# Altium PCB Surf5_R100.PcbDoc (continued)
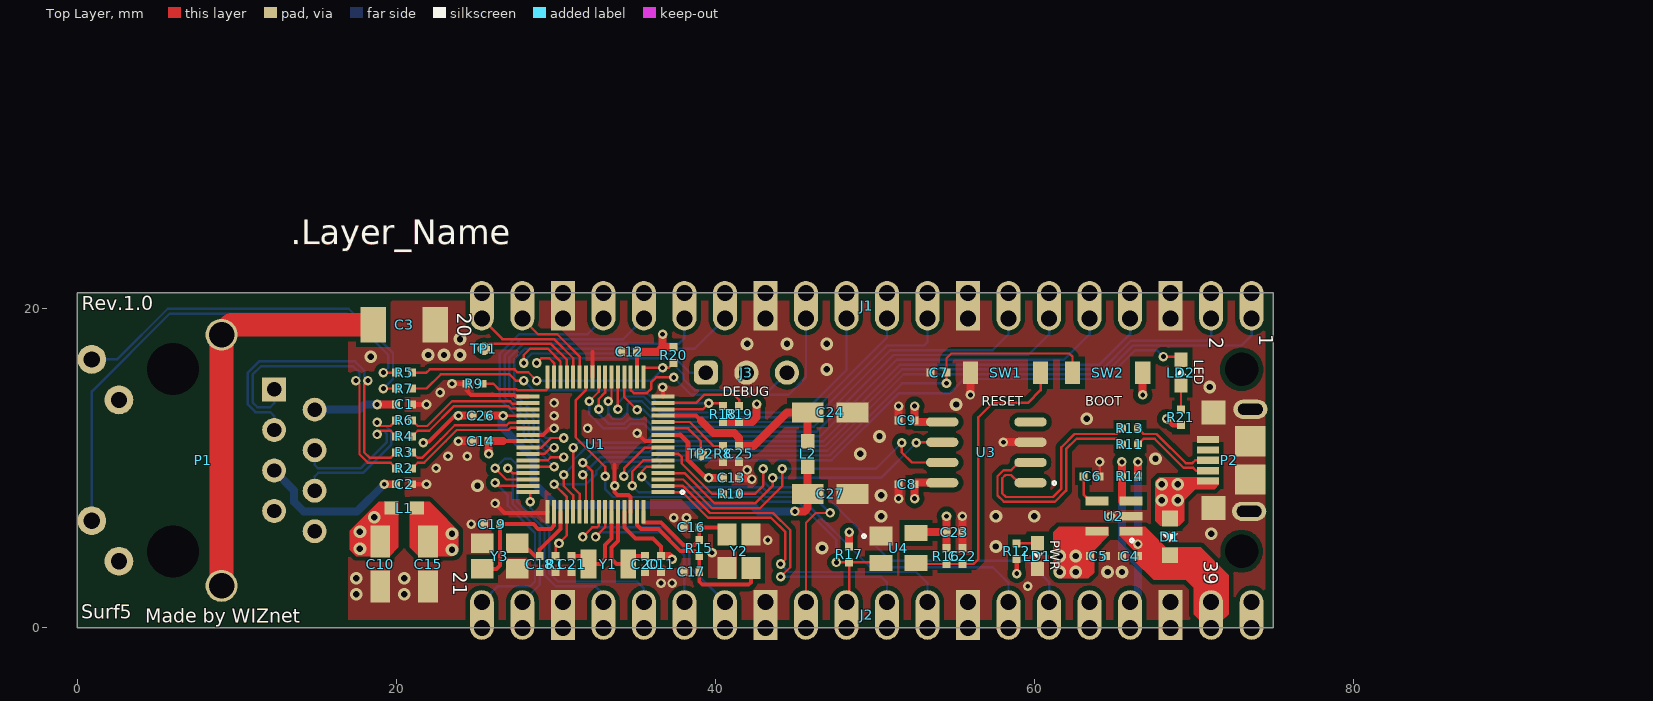
[diagram p0: Top Layer view]
## Via types
v1: diameter 0.6, hole 0.3, Top Layer to Bottom Layer, tented both sides, 103 vias
v2: diameter 0.8, hole 0.4, Top Layer to Bottom Layer, tented both sides, 42 vias

## Nets (pads, with @x,y where several pads share a name; then routed paths per layer and width w, separated by ;. In a path a pad name is that pad's centre, name@x,y a point inside that pad or via, vN(x,y) a via of type N, cw(c..) or ccw(c..) an arc to the next point about the centre after c; other vN are vias at no path point)
3V3_EN: J2.17 R14.2 U2.3 | length 12.3
  Top Layer w0.5: U2.3@65.5,7.95 R14.2 v1(65.5,10.4) ; U2.3 U2.3@66.5,7.95
  Bottom Layer w0.5: v1(65.5,10.4) 65.5,5 66.5,4 66.5,2.1 J2.17@66.01,1.61
BOOT: C7.2 R1.2 SW2.2 U1.52 | length 43.1
  Top Layer w0.15: v1(29.9,9) 30.7,8.2 U1.52 30.7,5.8 v1@30.2,5.3 ; R1.2 30,5.1 v1@30.2,5.3 ; v1(30.207,5.293) v1@30.2,5.3 ; v1(54.5,15.325) C7.2 54.5,16.9 54.8,17.2 62.2,17.2 62.4,17 SW2.2
  Bottom Layer w0.15: v1(29.9,9) 31.9,9 32.55,9.65 32.55,9.85 33.1,10.4 36.1,10.4 36.124,10.4 36.524,10.8 47.176,10.8 51.701,15.325 v1(54.5,15.325)
CH_GND: C3.2 P1.S1 P1.S2 | length 25.5
  Top Layer w1.5: P1.S2 P1.S1 9.675,19 C3.2
GND: C1.1 C2.1 C3.1 C4.1 C5.1 C6.1 C7.1 C8.1 C9.1 C10.2 C11.1 C12.1 C13.1 C14.1 C15.2 C16.1 C17.1 C18.1 C19.1 C20.1 C21.1 C22.2 C23.2 C24.2 C25.1 C26.1 C27.2 J1.3 J1.8 J1.13 J1.18 J2.3 J2.8 J2.13 J2.18 J3.2 LD1.2 P1.8 P2.5 P2.6 P2.7 P2.8 P2.9 P2.10 P2.11 R1.1 R8.1 R9.1 SW1.1 U1.9 U1.16 U1.25 U1.33 U1.39 U1.49 U1.62 U2.2 U3.3 U4.1 Y2.2 Y2.4 Y3.2 Y3.4 | length 34.8
  Top Layer w0.15: C6.1 v1(64.1,10.4)
  Top Layer w0.25: R9.1 24.4,14.9 24.7,14.6 27.4,14.6 27.5,14.5 U1.33 ; v1(26.2,7.8) 26.8,7.2 29.425,7.2 U1.49 ; U1.39 29.2,12.1 29.6,12.5 v1(29.9,12.5) ; U1.25 32.3,17.3 ; 33.7,10.2 v1(33.7,8.9) 33.7,8.5 33.875,8.325 34.562,8.325 34.7,8.187 U1.62 ; v1(35.1,12.2) 35.6,11.7 U1.9 ; v1(36.7,15.075) 36.725,15.05 U1.16
  Top Layer w0.254: v1(21.7,11.6) 21.766,11.666 22.066,11.666 23.634,13.234 23.834,13.234 v1(23.9,13.3)
  Top Layer w0.3: C2.1 v1(21.9,9) ; C1.1 v1(21.9,14) ; v1(23.5,15.3) R9.1
  Top Layer w0.5: v1(23.9,11.7) C14.1 ; v1(23.9,13.3) C26.1 ; C13.1 v1(42.3,9.325) ; v1(51.5,8.1) C8.1 ; C9.1 v1(51.5,13.9) ; C22.2 C23.2 v1(55.5,7) ; v1(56,14.6) SW1.1 ; v1(58.068,11.635) U3.3 ; v1(64.8,7) U2.2
  other v1: 59.6,2.6 36.6,2.8 37.3,2.8 39.8,4.7 43.3,5.5 24.7,6.5 37.4,6.9 38.2,6.9 42,9.9 22.5,10 23.25,10.75 24.45,10.75 32,12.5 29.9,13.3 29.9,14.1 22.75,14.75
  other v2: 17.5,2.1 20.5,2.1 17.5,3.1 20.5,3.1 64.6,3.5 65.5,3.5 46.7,5 57.6,5.1 71.1,5.9 50.4,7 57.6,7 60,7 50.4,8.3 25.1,8.9 67.6,10.6 49.1,10.9 50.3,12 63.3,13.1 55.1,14 71,15.1 47,16.2 18.4,17 22,17.1 23,17.1 24,17.1 42,17.8 44.5,17.8 47,17.8 24,18.1
LED_0: R7.2 R18.1 U1.14 | length 23.7
  Top Layer w0.15: R7.2 21.9,15 22.8,15.9 27.1,15.9 27.5,15.5 v1(28,15.5) ; U1.14 39.225,13.7 v1(39.6,14.075) 40.325,14.075 R18.1
  Bottom Layer w0.15: v1(28,15.5) 28.6,14.9 35.549,14.9 36.374,14.075 v1(39.6,14.075)
LED_1: R19.1 U1.15 | length 5.5
  Top Layer w0.15: U1.15 38.8,14.1 39.3,14.6 41.2,14.6 41.5,14.3 R19.1
LED_3: R5.2 R20.1 U1.17 | length 19.1
  Top Layer w0.15: R5.2 21.9,16 22.1,16.2 27.425,16.2 27.6,16.025 28.275,16.025 v1(28.8,15.5) ; U1.17 35.5,16.3 v1(36.7,16.3) 37.1,16.3 R20.1
  Bottom Layer w0.15: v1(28.8,15.5) 36,15.5 v1@36.8,16.3
MDI0_R_N: R6.1 U1.34 | length 8.1
  Top Layer w0.15: R6.1 21.35,12.65 21.95,12.65 23.5,14.2 27.15,14.2 27.3,14.05 28.225,14.05 U1.34
MDI0_R_P: R4.1 U1.35 | length 8.1
  Top Layer w0.15: R4.1 21.35,12.35 22.074,12.35 23.624,13.9 27.026,13.9 27.176,13.75 28.225,13.75 U1.35
MDI0_T_N: R3.1 U1.37 | length 8.4
  Top Layer w0.15: R3.1 21.35,10.65 21.626,10.65 22.8,11.824 23.676,12.7 26.926,12.7 27.076,12.85 28.225,12.85 U1.37
MDI0_T_P: R2.1 U1.38 | length 8.4
  Top Layer w0.15: R2.1 21.35,10.35 21.75,10.35 23.1,11.7 23.8,12.4 27.05,12.4 27.2,12.55 28.225,12.55 U1.38
MDI_R_N: P1.6 R6.2 | length 9.9
  Top Layer w0.15: v1(18.8,12.875) 18.8,12.85 19,12.65 19.65,12.65 R6.2
  Bottom Layer w0.15: P1.6 14.89,9.49 15.115,9.715 17.915,9.715 19.7,11.5 19.7,12.3 19.35,12.65 19.025,12.65 v1(18.8,12.875)
MDI_R_P: P1.4 R4.2 | length 9
  Top Layer w0.15: v1(18.8,12.125) 18.8,12.15 19,12.35 19.65,12.35 R4.2
  Bottom Layer w0.15: P1.4 14.89,10.21 15.085,10.015 17.791,10.015 19.4,11.624 19.4,12.176 19.226,12.35 19.025,12.35 v1(18.8,12.125)
MDI_T_N: P1.3 R3.2 | length 20.2
  Top Layer w0.15: v1(18.225,15.5) 18,15.275 18,11 18.35,10.65 19.65,10.65 R3.2
  Bottom Layer w0.15: P1.3 12.35,13.275 12.1,13.525 11.176,13.525 10.7,14.001 10.7,16 11.4,16.7 17.424,16.7 18,16.124 18,15.725 v1(18.225,15.5)
MDI_T_P: P1.1 R2.2 | length 19.3
  Top Layer w0.15: v1(17.475,15.5) 17.7,15.275 17.7,10.876 18.226,10.35 19.65,10.35 R2.2
  Bottom Layer w0.15: P1.1 12.35,14.075 12.1,13.825 11.3,13.825 11,14.125 11,15.876 11.524,16.4 17.3,16.4 17.7,16 17.7,15.725 v1(17.475,15.5)
NetC1_2: C1.2 P1.2 | length 5.2
  Top Layer w0.5: v1(18.8,14) C1.2
  Bottom Layer w0.5: P1.2 17.675,13.675 18,14 v1(18.8,14)
NetC2_2: C2.2 P1.5 | length 9.8
  Top Layer w0.5: v1(19.25,9) C2.2
  Bottom Layer w0.5: P1.5 13.6,8.615 13.6,7.9 14.2,7.3 17.55,7.3 v1(19.25,9)
NetC6_2: C6.2 U2.4 | length 2.1
  Top Layer w0.15: C6.2 63.1,8.35 63.5,7.95 U2.4
NetLD1_1: LD1.1 R12.2 | length 1.3
  Top Layer w0.15: R12.2 LD1.1
NetLD2_1: LD2.1 R21.1 | length 1.5
  Top Layer w0.15: R21.1 LD2.1
NetP1_9: P1.9 R7.1 | length 24.6
  Top Layer w0.15: v1(19.2,15) R7.1
  Bottom Layer w0.15: P1.9 2.501,16.825 5.676,20 17.024,20 19.8,17.224 19.8,15.6 v1(19.2,15)
NetP1_11: P1.11 R5.1 | length 31.8
  Top Layer w0.15: v1(19.2,16) R5.1
  Bottom Layer w0.15: P1.11 0.92,14.82 5.8,19.7 16.9,19.7 19.5,17.1 19.5,16.3 v1(19.2,16)
NetP2_2: P2.2 R11.1 | length 5.4
  Top Layer w0.15: R11.1 66.85,11.85 67.551,11.85 69.376,10.025 69.975,10.025 70.15,9.85 P2.2
NetP2_3: P2.3 R13.1 | length 5.4
  Top Layer w0.15: R13.1 66.85,12.15 67.675,12.15 69.5,10.325 69.925,10.325 70.1,10.5 P2.3
NetR8_2: R8.2 U1.12 | length 4.4
  Top Layer w0.15: U1.12 38.4,12.9 39.9,11.4 R8.2
NetR9_2: R9.2 U1.32 | length 5
  Top Layer w0.15: R9.2 25.9,15.3 26.1,15.3 26.45,14.95 27.545,14.95 27.595,14.9 29.4,14.9 29.5,15 U1.32
NetR10_2: R10.2 U1.7 | length 5
  Top Layer w0.15: U1.7 37.7,10.9 37.9,10.7 37.9,10.3 39.8,8.4 R10.2
NetTP1_1: TP1.1 U1.29 | length 6.8
  Top Layer w0.15: TP1.1 25.8,17.8 29.7,17.8 30.7,16.8 U1.29
NetTP2_1: TP2.1 U1.11 | length 3.5
  Top Layer w0.15: U1.11 38.3,12.5 39.1,11.7 TP2.1
PA_00: J1.19 U1.27 | length 5.9
  Top Layer w0.15: J1.19@27.91,19.39 28.9,18.4 30.1,18.4 31.5,17 U1.27
PA_01: J1.20 U1.28 | length 7.9
  Top Layer w0.15: J1.20@25.37,19.39 26.66,18.1 29.9,18.1 31.1,16.9 U1.28
PA_05: J1.12 U1.19 | length 16.6
  Top Layer w0.15: U1.19@34.7,15.2 34.7,14.9 34.9,14.7 35.7,14.7 36,15 36,15.4 36.3,15.7 v1(37.4,15.7)
  Bottom Layer w0.15: v1(37.4,15.7) 38.5,14.6 44.576,14.6 45.69,15.714 J1.12@45.69,19.39
PA_06: J1.9 U1.20 | length 24.5
  Top Layer w0.15: U1.20 34.3,14.475 v1(35.1,13.675)
  Bottom Layer w0.15: v1(35.1,13.675) 35.1,13.7 35.476,13.7 36.276,12.9 45.976,12.9 50.776,17.7 53.1,17.7 53.31,17.91 53.31,18.4 J1.9@53.31,19.39
PA_07: J1.11 U1.21 | length 21.7
  Top Layer w0.15: v1(33.9,13.7) U1.21
  Bottom Layer w0.15: v1(33.9,13.7) 33.9,14.1 34.3,14.5 35.5,14.5 35.524,14.5 36.524,13.5 45.576,13.5 48.23,16.154 J1.11@48.23,19.39
PA_08: J1.10 U1.22 | length 24.4
  Top Layer w0.15: v1(33.3,14.2) 33.5,14.4 U1.22
  Bottom Layer w0.15: v1(33.3,14.2) 33.3,13.4 33.6,13.1 34.1,13.1 34.5,13.5 34.5,14 34.7,14.2 35.4,14.2 36.4,13.2 45.776,13.2 50.77,18.194 J1.10@50.77,19.39
PA_09: J1.7 U1.23 | length 32.2
  Top Layer w0.15: v1(32.7,13.7) 32.7,14.342 33.1,14.742 U1.23
  Bottom Layer w0.15: v1(32.7,13.7) 32.7,13.4 33.3,12.8 34.3,12.8 34.6,13.1 35.621,13.1 36.121,12.6 46.176,12.6 50.976,17.4 57.39,17.4 58.39,18.4 J1.7@58.39,19.39
PA_10: J1.6 U1.24 | length 35.6
  Top Layer w0.15: v1(32.1,14.2) 32.7,14.8 U1.24
  Bottom Layer w0.15: v1(32.1,14.2) 32.1,13.4 33,12.5 34.4,12.5 34.424,12.5 34.724,12.8 35.497,12.8 35.997,12.3 46.376,12.3 51.176,17.1 59.63,17.1 60.93,18.4 J1.6@60.93,19.39
PA_11: J1.14 U1.41 | length 23.6
  Top Layer w0.15: U1.41 29.1,11.3 29.7,11.9 v1(30.5,11.9)
  Bottom Layer w0.15: v1(30.5,11.9) 29.4,11.9 28.924,12.376 28.924,13.176 27.4,14.7 27.4,16.827 28.073,17.5 38.72,17.5 J1.14@40.61,19.39
PA_12: J1.15 U1.42 | length 21.5
  Top Layer w0.15: U1.42 29.3,10.9 29.7,11.3 v1(29.9,11.3)
  Bottom Layer w0.15: v1(29.9,11.3) 29.549,11.3 28.624,12.224 28.624,13.051 27.1,14.576 27.1,16.951 27.949,17.8 37.7,17.8 38.07,18.17 J1.15@38.07,19.39
PA_13: J1.16 U1.43 | length 20.4
  Top Layer w0.15: U1.43 29.5,10.5 29.7,10.7 v1(30.5,10.7)
  Bottom Layer w0.15: v1(30.5,10.7) 29.724,10.7 28.3,12.124 28.3,12.951 26.8,14.451 26.8,17.076 27.824,18.1 34.24,18.1 J1.16@35.53,19.39
PA_14: J1.17 U1.44 | length 17.5
  Top Layer w0.15: U1.44 v1(29.9,10.1)
  Bottom Layer w0.15: v1(29.9,10.1) 28,12 28,12.827 26.5,14.327 26.5,17.2 27.7,18.4 32,18.4 J1.17@32.99,19.39
PB_00: J2.2 U1.45 | length 11.1
  Top Layer w0.15: v1(27,10) 27.3,9.7 U1.45
  Bottom Layer w0.15: v1(27,10) 27.3,9.7 27.3,7.776 29,6.076 29,2.7 J2.2@27.91,1.61
PB_01: J2.4 U1.46 | length 16.5
  Top Layer w0.15: v1(26.2,10) 26.9,9.3 U1.46
  Bottom Layer w0.15: v1(26.2,10) 26.8,10.6 27.2,10.6 27.6,10.2 27.6,7.9 29.3,6.2 29.3,3.3 30,2.6 32.5,2.6 32.99,2.11 J2.4@32.99,1.61
PB_02: J2.1 U1.47 | length 13.3
  Top Layer w0.15: v1(26.2,9.1) 26.4,8.9 U1.47
  Bottom Layer w0.15: J2.1@25.37,1.61 26.36,2.6 28.4,2.6 28.7,2.9 28.7,5.951 27,7.651 27,8.3 v1(26.2,9.1)
PB_03: J2.5 U1.48 | length 13
  Top Layer w0.15: U1.48 28.5,8.5 28.4,8.4 v1(28.4,7.9)
  Bottom Layer w0.15: v1(28.4,7.9) 28.4,7.524 29.6,6.324 29.6,3.424 30.124,2.9 35.1,2.9 35.53,2.47 J2.5@35.53,1.61
PC_00: J1.4 U1.53 | length 42.9
  Top Layer w0.15: v1(30.5,9.6) 30.5,8.9 31.1,8.3 U1.53
  Bottom Layer w0.15: v1(30.5,9.6) 31.1,10.2 31.1,10.5 31.9,11.3 35.724,11.3 36.124,11.7 36.9,11.7 46.776,11.7 51.576,16.5 64.1,16.5 66.01,18.41 J1.4@66.01,19.39
PC_01: J1.5 U1.54 | length 40.6
  Top Layer w0.15: v1(31.1,11.3) 31.1,8.8 31.5,8.4 U1.54
  Bottom Layer w0.15: v1@31,11.3 v1@31.05,11.35 ; v1(31.1,11.3) 31.4,11.6 35.6,11.6 36,12 37.6,12 46.576,12 51.376,16.8 61.87,16.8 63.47,18.4 J1.5@63.47,19.39
PC_02: J1.1 U1.55 | length 49
  Top Layer w0.15: v1(31.7,9.6) 31.9,9.4 U1.55
  Bottom Layer w0.15: v1(31.7,9.6) 32.25,10.15 32.8,10.7 36,10.7 36.4,11.1 47.024,11.1 51.824,15.9 64.4,15.9 66.2,17.7 73,17.7 73.63,18.33 J1.1@73.63,19.39
PC_03: J1.2 U1.56 | length 47.2
  Top Layer w0.15: v1(31.7,10.35) 31.7,10.3 31.8,10.3 32.3,9.8 U1.56
  Bottom Layer w0.15: v1(31.7,10.35) 32.35,11 35.849,11 36.249,11.4 37.3,11.4 46.9,11.4 51.7,16.2 64.276,16.2 66.076,18 70.8,18 71.1,18.3 71.1,19.38 J1.2@71.09,19.39
PC_04: J2.7 U1.57 | length 13.7
  Top Layer w0.15: v1(31.7,5.7) 32.3,6.3 32.6,6.3 32.7,6.4 U1.57
  Bottom Layer w0.15: v1(31.7,5.7) 32.3,6.3 36.724,6.3 38.37,4.654 38.37,3.85 38.8,3.42 J2.7@40.61,1.61
PC_05: J2.6 U1.58 | length 11
  Top Layer w0.15: v1(32.5,5.7) 33.1,6.3 U1.58
  Bottom Layer w0.15: v1(32.5,5.7) 32.8,6 36.6,6 38.07,4.53 J2.6@38.07,1.61
PC_08: J2.12 U1.1 | length 21.7
  Top Layer w0.15: U1.1 37.951,8.5 39.551,6.9 39.6,6.9 43.5,6.9 44.4,6 44.4,4.3 v1(44.1,4)
  Bottom Layer w0.15: v1(44.1,4) 44.6,3.5 52.6,3.5 53.31,2.79 J2.12@53.31,1.61
PC_09: J2.11 U1.2 | length 20.3
  Top Layer w0.15: U1.2 37.976,8.9 39.676,7.2 43.624,7.2 44.7,6.124 44.7,3.8 v1(44.1,3.2)
  Bottom Layer w0.15: v1(44.1,3.2) 50.4,3.2 50.77,2.83 J2.11@50.77,1.61
PC_12: J2.9 U1.5 | length 21.3
  Top Layer w0.15: v1(35.4,9.469) 35.4,9.8 35.7,10.1 U1.5 ; J2.9@45.69,1.61 45.69,6.59 46.3,7.2 v1(47.2,7.2)
  Bottom Layer w0.15: v1(35.4,9.469) 36.069,8.8 42.976,8.8 43.276,8.5 45.9,8.5 v1(47.2,7.2)
PC_13: J2.14 U1.6 | length 30.4
  Top Layer w0.15: v1(34.8,8.9) 34.8,9.8 35.5,10.5 U1.6
  Bottom Layer w0.15: v1(34.8,8.9) 35.2,8.5 42.851,8.5 43.151,8.2 45.324,8.2 49.724,3.8 57.4,3.8 58.39,2.81 J2.14@58.39,1.61
PC_14: J2.15 R10.1 | length 25.4
  Top Layer w0.15: R10.1 42.5,8.4 43,8.9 v1(43,9.975)
  Bottom Layer w0.15: v1(43,9.975) 43,9.2 43.4,8.8 46.4,8.8 51,4.2 59.6,4.2 60.93,2.87 J2.15@60.93,1.61
REGIN: C24.1 C25.2 L2.1 U1.13 | length 12.8
  Top Layer w0.25: U1.13 38.8,13.3 39.1,13
  Top Layer w0.5: 39.1,13 39.9,12.2 41.2,12.2 41.5,11.9 C25.2 42.4,11.4 44.5,13.5 C24.1 L2.1
REGOUT: C26.2 C27.1 L2.2 U1.36 | length 28.2
  Top Layer w0.15: v1(26.7,13.3) U1.36
  Top Layer w0.5: C26.2 v1(26.7,13.3) ; v1(45,7.3) 45.6,7.3 45.8,7.5 C27.1 L2.2
  Bottom Layer w0.5: v1(26.7,13.3) 26.6,13.2 26.6,12.6 28.6,10.6 28.6,9.1 30,7.7 42.3,7.7 42.7,7.3 v1(45,7.3)
RST_SW: C22.1 R16.1 SW1.2 U4.3 | length 18.6
  Top Layer w0.15: U4.3 52.65,4 R16.1 C22.1 56.2,4 56.5,4.3 56.5,13.2 57.4,14.1 59.6,14.1 60.4,14.9 SW1.2
RSTn: J2.10 R17.2 U1.26 U4.2 | length 30.7
  Top Layer w0.15: U1.26 31.9,14.9 31.25,14.25 31.25,11.95 33.1,10.1 v1(33.1,9.5) ; v1(47.6,4.1) R17.2 ; J2.10@48.23,1.61 48.4,1.78 R17.2 ; U4.2 50.35,4.1 R17.2
  Bottom Layer w0.15: v1(33.1,9.5) 33.1,8.7 33.6,8.2 42.727,8.2 43.027,7.9 45.2,7.9 47.6,5.5 v1(47.6,4.1)
RTC_IN: C21.2 U1.59 Y1.2 | length 5.6
  Top Layer w0.25: C21.2 31.55,4.5 Y1.2 32.8,4 33.1,4.3 33.1,5.2 33.5,5.6 U1.59
RTC_OUT: C20.2 U1.60 Y1.1 | length 5.6
  Top Layer w0.25: U1.60 33.9,5.434 33.5,5.034 33.5,4.3 33.8,4 Y1.1 35.05,4.5 C20.2
SWCLK: J3.1 U1.30 | length 16.5
  Top Layer w0.15: v1(28,16.6) 28,17.1 28.4,17.5 29.5,17.5 30.3,16.7 U1.30
  Bottom Layer w0.15: v1(28,16.6) 28,16.7 28.5,17.2 37.2,17.2 38.4,16 J3.1
SWDIO: J3.3 U1.31 | length 19.5
  Top Layer w0.15: v1(28.8,16.6) 29.1,16.9 29.6,16.9 29.9,16.6 U1.31
  Bottom Layer w0.15: v1(28.8,16.6) 29.1,16.9 37,16.9 38,15.9 38,15.6 38.7,14.9 43.4,14.9 J3.3
U_RXD2: U1.4 U3.6 | length 20.2
  Top Layer w0.15: U1.4 38.076,9.7 39.976,7.8 42.5,7.8 43.6,8.9 v1(43.6,9.4) ; v1(52.6,11.6) 52.635,11.635 U3.6
  Bottom Layer w0.15: v1(43.6,9.4) 50.4,9.4 v1(52.6,11.6)
U_TXD2: U1.3 U3.7 | length 21.4
  Top Layer w0.15: U1.3 38,9.3 39.8,7.5 42.8,7.5 44.2,8.9 v1(44.2,9.975) ; v1(51.7,11.6) 51.7,11 52.335,10.365 U3.7
  Bottom Layer w0.15: v1(44.2,9.975) 50.075,9.975 v1(51.7,11.6)
USB_D_N: R11.2 U3.2 | length 14.9
  Top Layer w0.15: U3.2 59.037,10.365 58.552,9.88 58.076,9.88 57.7,9.504 57.7,8.3 58.1,7.9 61.3,7.9 62,8.6 62,11.2 62.65,11.85 65.15,11.85 R11.2
USB_D_P: R13.2 U3.1 | length 13.9
  Top Layer w0.15: U3.1 59.037,9.095 58.552,9.58 58.2,9.58 58,9.38 58,8.424 58.224,8.2 61.176,8.2 61.7,8.724 61.7,11.324 62.526,12.15 65.15,12.15 R13.2
USER_LED: LD2.2 U1.8 | length 41.9
  Top Layer w0.15: v1(34.275,9.5) 34.287,9.512 34.287,9.987 35.6,11.3 U1.8 ; v1(68.1,17) 69,17 LD2.2
  Bottom Layer w0.15: v1(34.275,9.5) 34.875,10.1 36.3,10.1 36.7,10.5 36.9,10.5 47.3,10.5 51.499,14.699 54.699,14.699 55.6,15.6 64.524,15.6 66.324,17.4 67.7,17.4 v1(68.1,17)
VBUS: D1.2 J2.20 P2.1
  other v2: 68,8 69,8 68,9 69,9
VDD_3.3A: C14.2 C15.1 L1.2 U1.40 | length 4.3
  Top Layer w0.25: 26.7,11.7 U1.40
  Top Layer w0.5: v1(25.8,10.9) C14.2 26.7,11.7
  Bottom Layer w0.8: v2(23.5,4.9) v2(23.5,5.9)
VDD_3.3V: C5.2 C8.2 C9.2 C10.1 C11.2 C12.2 C13.2 C23.1 J2.16 L1.1 P1.10 P1.12 R12.1 R16.2 R17.1 R18.2 R19.2 R20.2 R21.2 SW2.1 U1.10 U1.18 U1.61 U2.5 U3.5 U3.8 U4.4 | length 33.1
  Top Layer w0.25: U1.61 34.3,6.3 35,5.6 36.1,5.6 36.6,5.1 C11.2 ; U1.18 C12.2 ; U1.10 37.8,12.1
  Top Layer w0.3: 37.8,12.1 38.3,11.6 38.3,10.5 39.4,9.4 v1(39.6,9.4) ; v1(58.9,3.4) R12.1 ; v1(68.3,13.1) 68.7,12.7 R21.2
  Top Layer w0.5: C12.2 36.4,17.3 36.7,17.6 ; C11.2 37.1,4.5 v1(37.3,4.3) ; v1(36.7,18.4) 36.7,17.6 ; R20.2 36.7,17.6 ; v1(39.6,9.4) C13.2 ; R18.2 R19.2 42.3,12.9 42.6,13.2 v1(42.6,14.025) ; R17.1 v1(48.4,6) ; v1(52.5,8.1) C8.2 52.595,9.095 U3.8 ; v1(52.5,13.9) C9.2 52.595,12.905 U3.5 ; U4.4 52.65,6 C23.1 ; R16.2 C23.1 ; v1(54.5,7) C23.1 ; v1(66.8,14.6) SW2.1
  Bottom Layer w0.8: v2(17.725,4.95) v2(17.725,6.025)
  other v2: 61.6,3.5 62.6,3.5 61.6,4.5 62.6,4.5 18.625,6.925
VSYS: C4.2 D1.1 J2.19 R14.1 U2.1 | length 6.1
  Top Layer w0.5: R14.1 v1(66.5,10.4)
  Bottom Layer w0.5: v1(66.5,5.25) v1(66.5,10.4)
X1: C19.2 U1.50 Y3.3 | length 8.3
  Top Layer w0.25: Y3.3 26.3,3.7 26.5,3.9 C19.2 28.6,6.5 28.9,6.2 29.7,6.2 29.9,6.4 U1.50
X2: C18.2 U1.51 Y3.1 | length 5
  Top Layer w0.25: Y3.1 27.9,5.3 28.7,4.5 C18.2 29,4.9 30.3,6.2 U1.51
XIN: C17.2 R15.2 U1.63 Y2.3 | length 11.4
  Top Layer w0.25: U1.63 35.1,6.5 35.1,6.434 35.334,6.2 35.4,6.2 36.434,6.2 37.834,4.8 38.7,4.8 R15.2 C17.2 39,2.9 39.2,2.7 42.1,2.7 42.25,2.85 Y2.3
XOUT: C16.2 R15.1 U1.64 Y2.1 | length 7.6
  Top Layer w0.25: U1.64 35.5,6.6 36.6,6.6 38,5.2 38.7,5.2 R15.1 C16.2 40.3,6.3 Y2.1
pads on no net: P1. P1.7 P2.4 U3.4

## Polygon pours and split planes (outlines as drawn)
GND on Bottom Layer "GND_L04_P001" (solid, remove dead copper, pour order 1): 17,0 75,0 75,21 17,21
GND on Top Layer "GND_L01_P000" (solid, remove dead copper, pour order 0): 17,0 75,0 75,21 17,21
VDD_3.3V on Internal Plane 2 (Vcc) (split plane): 74.49,10.002 67.25,10.002 67.185,9.994 67.124,9.968 67.072,9.928 67.032,9.876 67.006,9.815 66.998,9.75 66.998,0.51 0.51,0.51 0.51,20.49 74.49,20.49
VBUS on Internal Plane 2 (Vcc) (split plane): 74.49,0.51 67.502,0.51 67.502,9.498 74.49,9.498
VDD_3.3A on Internal Plane 2 (Vcc) (split plane): 26.498,5.9 24.7,5.9 24.7,4.252 22.752,4.252 22.752,10.146 24.354,11.748 26.498,11.748
GND on Internal Plane 1 (Gnd) (split plane): 74.49,0.51 17,0.51 17,4.5 13.75,4.5 13.75,7.75 17,7.75 17,20.49 74.49,20.49

## Keep-outs
Keep-Out Layer:
  text ".Layer_Name" at 13.398,24 h1.52

## Other copper
Top Layer:
  pour cut-out: 20.55,8.45 20.55,8.125 20.45,8.125 20.45,8.45
  region net VDD_3.3A: 23.5,4.5 23.9,4.9 23.9,6.1 22.5,7.5 22.09,7.91 20.855,7.91 20.855,5.045 21.4,4.5
  region net VBUS: 71.58,9.425 69.375,9.425 67.825,9.425 67.6,9.2 67.6,6.7 67.9,6.4 69.1,6.4 69.4,6.7 69.4,8 70.1,8.7 71.305,8.7 71.58,8.975
  region net VSYS: 66.975,6.325 68.25,5.05 70.45,5.05 72.2,3.3 72.2,0.86 71.74,0.4 70.44,0.4 70,0.84 70,2.5 69.5,3 67.5,3 66.25,4.25 66.25,4.875 65.35,5.775 65.35,6.325
  region net VDD_3.3V: 61.6,3.1 61.2,3.5 61.2,6 61.525,6.325 64.65,6.325 64.65,5.775 63.75,4.875 63.75,3.45 63.4,3.1
  region net VDD_3.3V: 17.5,4.5 17.1,4.9 17.1,6.1 18.5,7.5 18.91,7.91 20.145,7.91 20.145,5.045 19.6,4.5
  text ".Layer_Name" at 13.398,24 h1.52
Bottom Layer:
  region net VBUS: 68,9.4 67.6,9 67.6,8 68,7.6 69,7.6 69.4,8 69.4,9 69,9.4
  region net VDD_3.3V: 61.6,3.1 61.2,3.5 61.2,4.5 61.6,4.9 62.6,4.9 63,4.5 63,3.5 62.6,3.1
  text ".Layer_Name" at 13.398,24 h1.52
Internal Plane 1 (Gnd) (plane layer: these items are gaps in the copper):
  pour cut-out: 17,4.5 13.75,4.5 13.75,7.75 17,7.75 17,21 0,21 0,0 17,0
Internal Plane 2 (Vcc) (plane layer: these items are gaps in the copper):
  pour cut-out: 42.9,3 42.9,6.6 40.1,6.6 40.1,3
  pour cut-out: 31.5,3.1 35.1,3.1 35.1,4.9 31.5,4.9
  pour cut-out: 24.7,3.1 28.3,3.1 28.3,5.9 24.7,5.9
  lines w0.5: 24.75,4 22.5,4 22.5,10.25 24.25,12 26.75,12 26.75,5.5 ; 67.25,-0.25 67.25,9.75 75,9.75

## Silkscreen, mask and mechanical layers (free items; w line width, h text height)
Top Overlay:
  circle w0.15: c49.325,5.75 r0.103
  circle w0.15: c37.951,8.5 r0.103
  circle w0.15: c61.25,9.075 r0.103
  circle w0.15: c66.125,5.475 r0.103
  region: 60.6,4.7 59.85,4.7 60.225,4.325
  region: 68.825,15.825 69.575,15.825 69.2,16.2
  region: 68,5.9 69,5.9 68.5,5.4
  text ".Layer_Name" at 13.398,24.032 h1.52
  text "20" at 23.518,19.75 h1.5 r270
  text "Rev.1.0" at 0.3,19.6 h1.5
  text "1" at 73.8,18.4 h1.5 r270
  text "2" at 70.662,18.219 h1.5 r270
  text "LED" at 69.8,16.8 h1 r270
  text "DEBUG" at 40.475,14.3 h1
  text "RESET" at 56.7,13.7 h1
  text "BOOT" at 63.2,13.7 h1
  text "PWR" at 60.8,5.5 h1 r270
  text "39" at 70.318,4.2 h1.5 r270
  text "21" at 23.25,3.5 h1.5 r270
  text "Surf5" at 0.25,0.25 h1.5
  text "Made by WIZnet" at 4.275,0 h1.5
Bottom Overlay:
  text ".Layer_Name" at 13.398,24 h1.52
  text "GND" at 30.066,16.11 h1.2 r270
  text "GND" at 42.766,16.11 h1.2 r270
  text "GND" at 55.466,16.11 h1.2 r270
  text "GND" at 68.166,16.11 h1.2 r270
  text "PA01" at 24.991,15.959 h1.2 r270
  text "PA11" at 40.224,15.959 h1.2 r270
  text "PC01" at 63.086,15.959 h1.2 r270
  text "PA00" at 27.531,15.837 h1.2 r270
  text "PA13" at 35.151,15.83 h1.2 r270
  text "PA12" at 37.684,15.838 h1.2 r270
  text "PA07" at 47.851,15.831 h1.2 r270
  text "PA08" at 50.391,15.831 h1.2 r270
  text "PA09" at 58.011,15.834 h1.2 r270
  text "PA10" at 60.551,15.837 h1.2 r270
  text "PC00" at 65.626,15.837 h1.2 r270
  text "PA14" at 32.604,15.808 h1.2 r270
  text "PA05" at 45.311,15.816 h1.2 r270
  text "PA06" at 52.931,15.822 h1.2 r270
  text "PC03" at 69.366,15.69 h1.2 r270
  text "PC02" at 71.116,15.698 h1.2 r270
  text "GND" at 41.616,12.72 h1.2 r270
  text "SWDIO" at 44.116,11.444 h1.2 r270
  text "SWCLK" at 39.116,11.105 h1.2 r270
  text "PB02" at 24.991,2.86 h1.2 r270
  text "PB00" at 27.531,2.86 h1.2 r270
  text "GND" at 30.066,2.86 h1.2 r270
  text "PB01" at 32.611,2.86 h1.2 r270
  text "PB03" at 35.151,2.86 h1.2 r270
  text "PC05" at 37.686,2.86 h1.2 r270
  text "PC04" at 40.226,2.86 h1.2 r270
  text "GND" at 42.766,2.86 h1.2 r270
  text "PC12" at 45.305,2.86 h1.2 r270
  text "RSTn" at 47.846,2.86 h1.2 r270
  text "PC09" at 50.386,2.86 h1.2 r270
  text "PC08" at 52.926,2.86 h1.2 r270
  text "GND" at 55.466,2.86 h1.2 r270
  text "PC13" at 58.006,2.86 h1.2 r270
  text "PC14" at 60.545,2.86 h1.2 r270
  text "3V3" at 63.091,2.86 h1.2 r270
  text "3V3_EN" at 65.73,2.86 h1.2 r270
  text "GND" at 68.166,2.86 h1.2 r270
  text "VSYS" at 69.366,2.75 h1.2 r270
  text "VBUS" at 70.616,2.75 h1.2 r270
Top Paste:
  text ".Layer_Name" at 13.398,24 h1.52
Bottom Paste:
  text ".Layer_Name" at 13.398,24 h1.52
Top Solder:
  text ".Layer_Name" at 13.398,24 h1.52
Bottom Solder:
  text ".Layer_Name" at 13.398,24 h1.52
Drill Guide:
  text ".Layer_Name" at 13.398,24 h1.52
Mechanical 2:
  lines w0.127: 77.569,0.625 77.569,24.706 ; 77.57,0.666 ccw(c78.281,0.666) 78.281,-0.045 116.033,-0.045 ccw(c116.033,0.666) 116.744,0.666 ; 77.57,24.731 cw(c78.281,24.731) 78.281,25.442 116.033,25.442 cw(c116.033,24.731) 116.744,24.731 116.744,0.65 ; 79.094,16.935 116,16.935 ; 79.094,19.41 116,19.41
  lines w0.2: 0,0 75,0 75,21 0,21 0,0
  text "BOARD NAME : Surf5_R100" at 4,35.176 h1.52
  text "VERSION : R100" at 4,32.382 h1.52
  text "SIZE : 75mmX21mmX1.0T" at 4,29.588 h1.52
  text "GERBER DATE : 2023. 09. 19." at 4,26.794 h1.52
  text "LAYER :" at 4,24 h1.52
  text "Layer Stack Up Detail for :" at 79.094,23.207 h1.02
  text "IEPVS_Control_Ti V1.0.PcbDoc" at 79.094,20.667 h1.27
  text "Layer Name : 4L 1.6T" at 79.094,17.619 h1.02
  text "Top Layer" at 79.094,11.761 h1.52
  text "Signal Layer 1" at 79.094,8.713 h1.52
  text "Signal Layer 2" at 79.094,5.617 h1.52
  text "Bottom Layer" at 79.094,2.569 h1.52
  text "KS Technology artwork" at 77.5,-4.5 h5.08
Mechanical 3:
  text "TP1" at 24.675,15.85 h1
  text "TP2" at 38.3,11.6 h1
Drill Drawing:
  text ".Legend" at 79.26,27 h1.02
  text ".Layer_Name" at 13.398,24 h1.52

## Dimensions
-0.5,0 to -0.5,21 on Mechanical 2
0,-0.4 to 75,-0.5 on Mechanical 2

## Text inside footprints (layer, text, board x,y; h text height)
P1: Mechanical 3 "9" at -1.112,17.104 h0.76 r270; Mechanical 3 "10" at 0.666,14.818 h0.76 r270; Mechanical 3 "11" at -1.112,7.071 h0.76 r270; Mechanical 3 "12" at 0.666,4.658 h0.76 r270; Mechanical 3 "7" at 11.969,6.309 h0.76 r270; Mechanical 3 "8" at 14.509,5.039 h0.76 r270; Mechanical 3 "2" at 14.509,15.326 h0.76 r270; Mechanical 3 "1" at 11.969,16.342 h0.76 r270